# Altium PCB PCB1.PcbDoc (part 4 of 5)
Units mm, origin at the board's own origin, x right, y up, seen from the top; angles counter-clockwise.
Board outline 50 x 50 mm, 6 copper layers (Top Layer, Int1 (GND), Int2 (Sign), Int3 (Sign), Int4 (Sign), Bottom Layer), stack 1.551 mm thick; 306 components, 209 nets, 1178 pads, 764 vias.
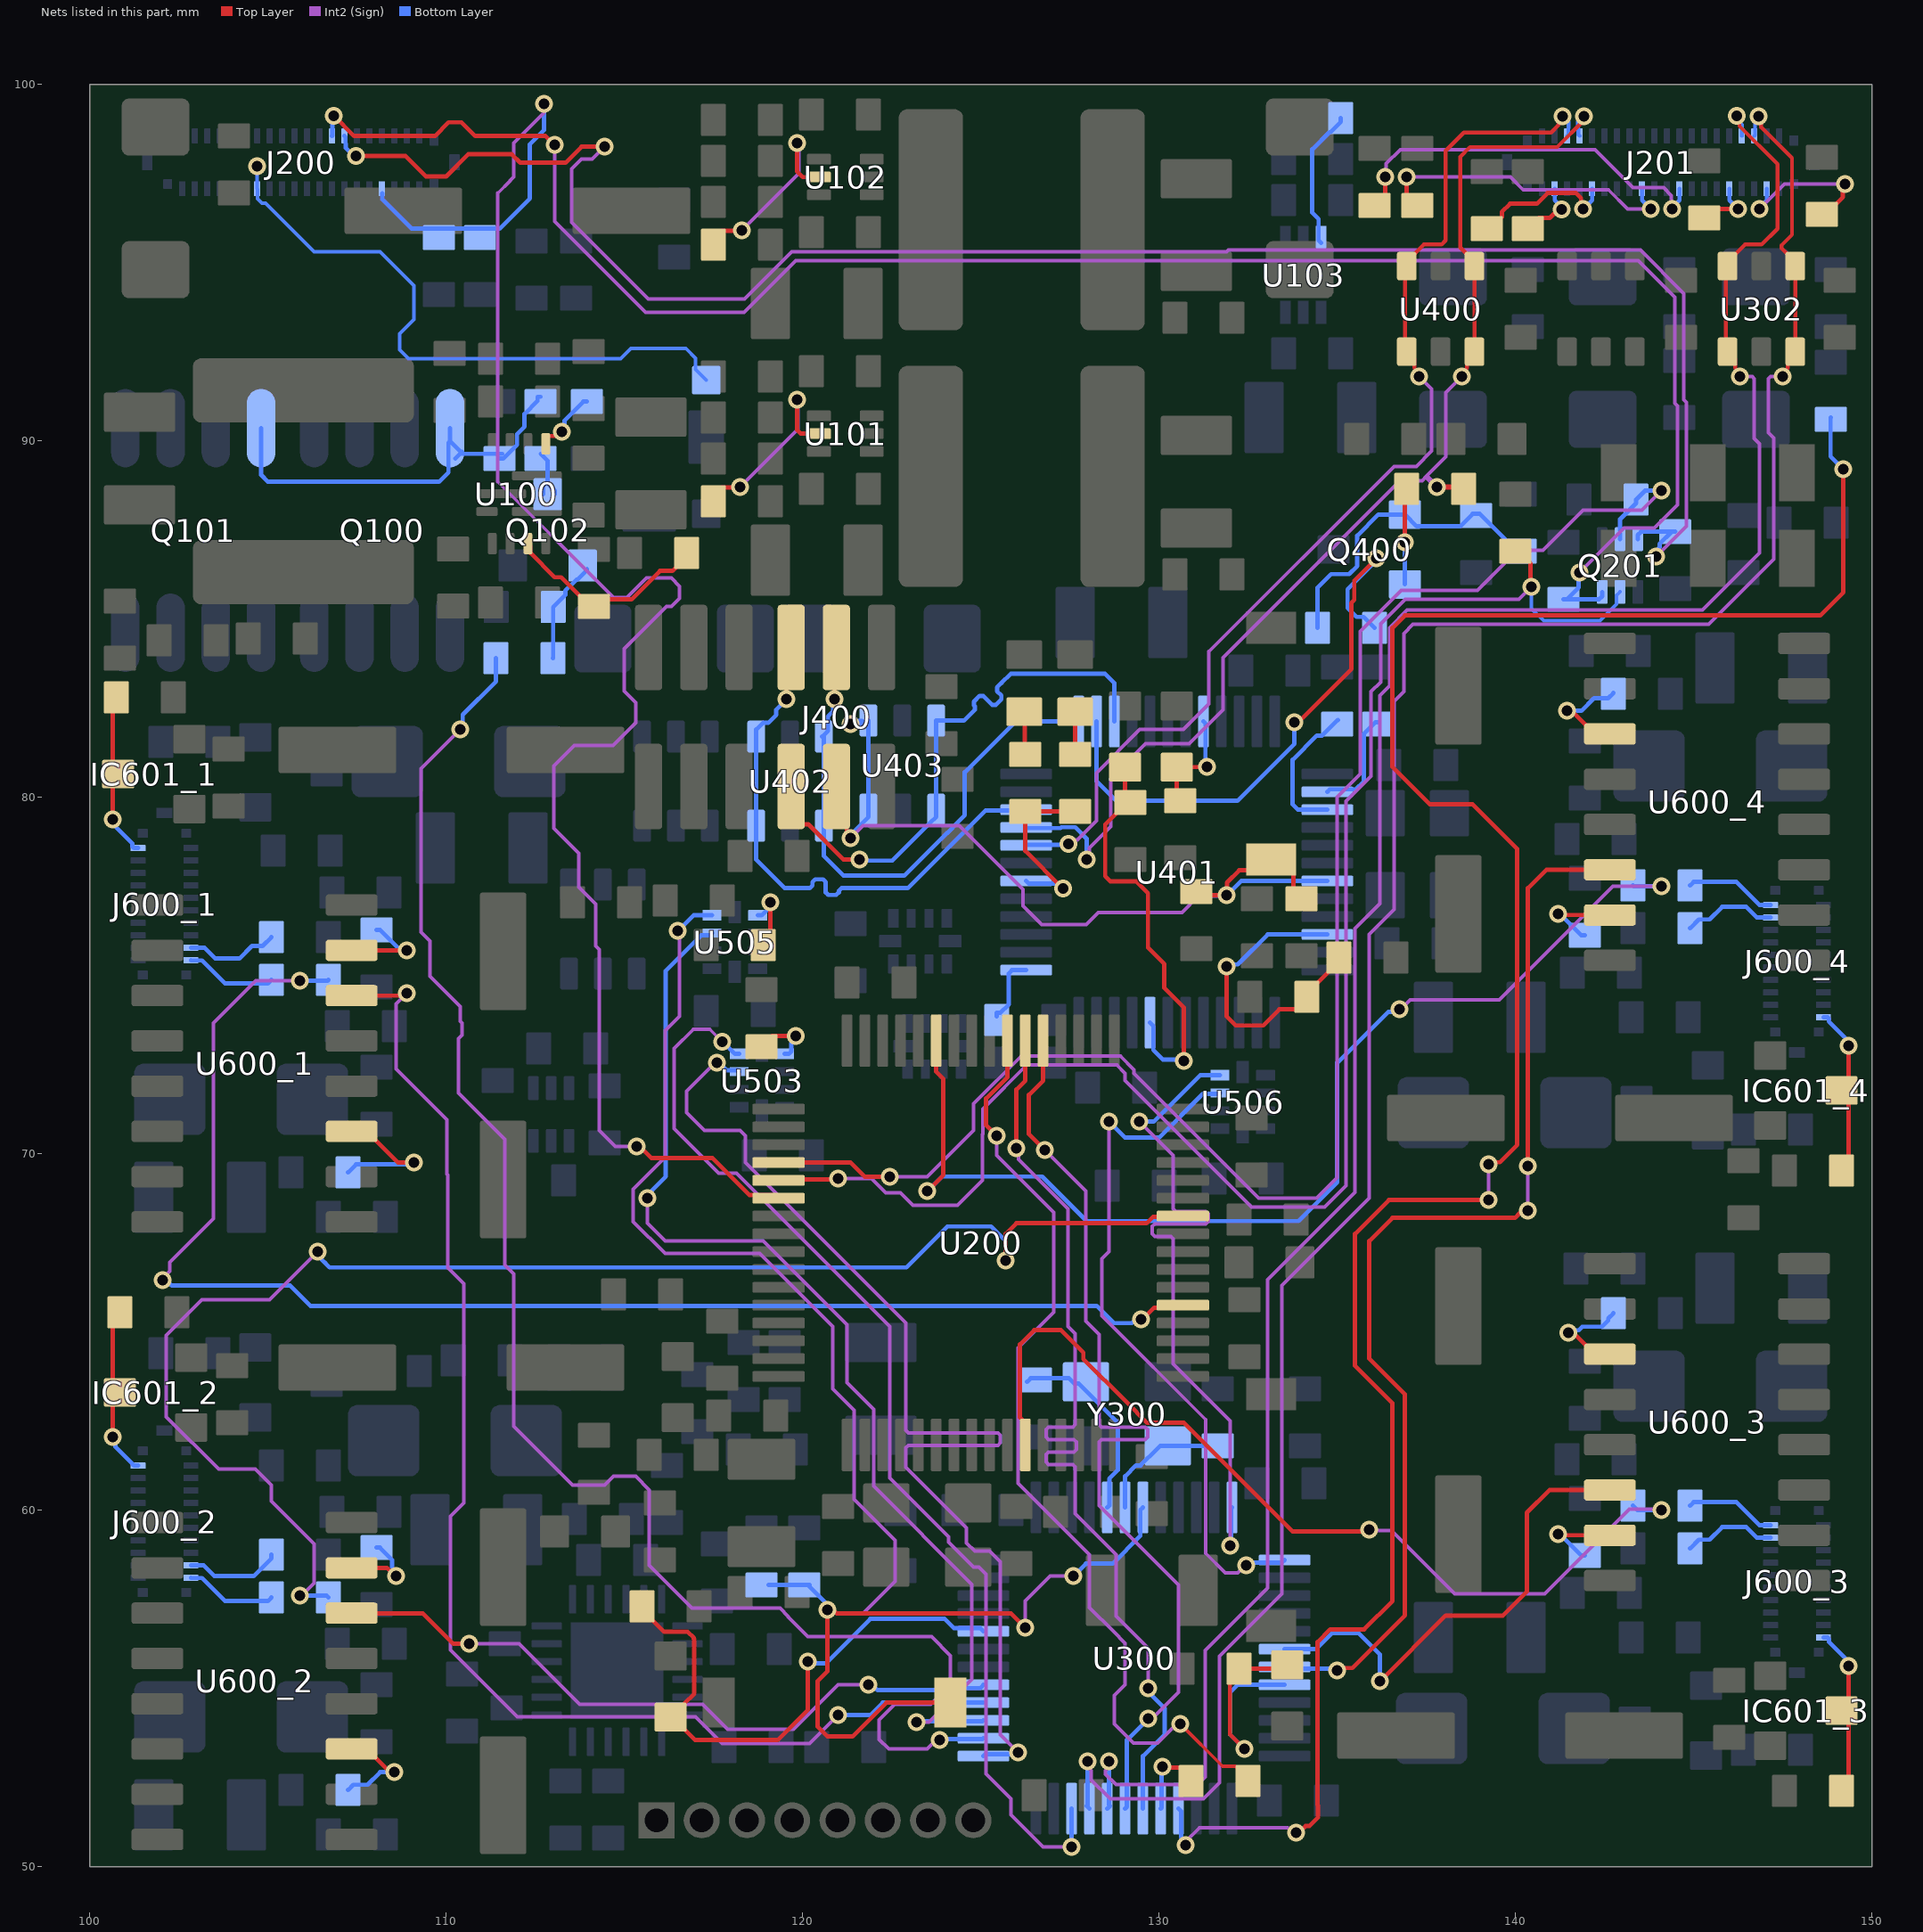
[diagram p8: the nets of this part, all layers, seen from the top]

## Via types
v1: diameter 0.5, hole 0.3, Top Layer to Bottom Layer, tented both sides, 492 vias
v2: diameter 0.7, hole 0.35, Top Layer to Bottom Layer, tented both sides, 270 vias
v3: diameter 0, hole 0.3, Top Layer to Bottom Layer, tented both sides, 2 vias

## Nets (pads, with @x,y where several pads share a name; then routed paths per layer and width w, separated by ;. In a path a pad name is that pad's centre, name@x,y a point inside that pad or via, vN(x,y) a via of type N, cw(c..) or ccw(c..) an arc to the next point about the centre after c; other vN are vias at no path point) (continued)
NetJ201_22: J201.22 R309.2 | length 4.5
  Top Layer w0.12: R309.2@148.6,96.35 148.7,96.35 149.185,96.835 149.185,97.135 v1(149.25,97.2)
  Int2 (Sign) w0.1: v1(146.85,96.5) 147.55,97.2 v1(149.25,97.2)
  Bottom Layer w0.11: v1(146.85,96.5) 146.85,96.545 147.05,96.745 J201.22@147.05,97.073
NetJ201_25: J201.25 R310.2 | length 1.7
  Top Layer w0.12: R310.2@145.3,96.25 145.55,96.5 v1(146.25,96.5)
  Bottom Layer w0.11: J201.25@146,97.073 146,96.745 146.245,96.5 v1(146.25,96.5)
NetJ201_29: J201.29 R205.2 | length 11.1
  Top Layer w0.12: R205.2@136.05,96.6 136.35,96.9 v1(136.35,97.4)
  Int2 (Sign) w0.1: v1(136.35,97.4) 136.375,97.425 136.375,97.775 136.77,98.17 142.23,98.17 143.3,97.1 144.158,97.1 144.375,96.883 144.375,96.525 v1(144.4,96.5)
  Bottom Layer w0.11: v1(144.4,96.5) 144.4,96.545 144.6,96.745 J201.29@144.6,97.073
NetJ201_32: J201.32 R207.2 | length 8.8
  Top Layer w0.12: v1(136.95,97.4) 136.95,96.9 R207.2@137.25,96.6
  Int2 (Sign) w0.1: v1(136.95,97.4) 139.861,97.4 140.226,97.035 142.615,97.035 143.15,96.5 143.792,96.5 v1(143.796,96.504)
  Bottom Layer w0.11: J201.32@143.55,97.073 143.55,96.75 v1(143.796,96.504)
NetJ201_36: J201.36 R409.2 | length 4.2
  Top Layer w0.12: R409.2@139.2,95.95 139.3,95.95 139.621,96.271 139.621,96.421 139.85,96.65 140.6,96.65 140.9,96.95 141.7,96.95 141.839,96.811 141.839,96.561 v1(141.9,96.5)
  Bottom Layer w0.11: v1(141.9,96.5) 142.15,96.75 J201.36@142.15,97.073
NetJ201_39: J201.39 R410.2 | length 1.8
  Top Layer w0.12: R410.2@140.35,95.95 140.651,96.251 140.959,96.251 141.204,96.496 v1(141.296,96.496)
  Bottom Layer w0.11: J201.39@141.1,97.073 141.1,96.745 141.296,96.549 v1(141.296,96.496)
NetJ600_1_19: J600_1.19 R606_1.1 | length 2.6
  Bottom Layer w0.12: J600_1.19@102.84,75.775 103.225,75.775 103.525,75.475 104.2,75.475 104.554,75.829 104.854,75.829 R606_1.1@105.1,76.075
NetJ600_1_20: J600_1.20 R607_1.1 | length 2.6
  Bottom Layer w0.12: J600_1.20@102.84,75.425 102.841,75.424 103.151,75.424 103.8,74.775 105,74.775 R607_1.1@105.1,74.875
NetJ600_2_19: J600_2.19 R606_2.1 | length 2.7
  Bottom Layer w0.12: J600_2.19@102.84,58.45 103.2,58.45 103.5,58.15 104.6,58.15 105.1,58.65 R606_2.1@105.1,58.75
NetJ600_2_20: J600_2.20 R607_2.1 | length 2.6
  Bottom Layer w0.12: J600_2.20@102.84,58.1 102.841,58.099 103.151,58.099 103.8,57.45 105,57.45 R607_2.1@105.1,57.55
NetJ600_3_19: J600_3.19 R606_3.1 | length 2.6
  Bottom Layer w0.12: R606_3.1@144.9,58.925 145.146,59.171 145.446,59.171 145.8,59.525 146.475,59.525 146.775,59.225 J600_3.19@147.16,59.225
NetJ600_3_20: J600_3.20 R607_3.1 | length 2.6
  Bottom Layer w0.12: R607_3.1@144.9,60.125 145,60.225 146.2,60.225 146.849,59.576 147.159,59.576 J600_3.20@147.16,59.575
NetJ600_4_19: J600_4.19 R606_4.1 | length 2.6
  Bottom Layer w0.12: R606_4.1@144.9,76.325 145.146,76.571 145.446,76.571 145.8,76.925 146.475,76.925 146.775,76.625 J600_4.19@147.16,76.625
NetJ600_4_20: J600_4.20 R607_4.1 | length 2.6
  Bottom Layer w0.12: R607_4.1@144.9,77.525 145,77.625 146.2,77.625 146.849,76.976 147.159,76.976 J600_4.20@147.16,76.975
NetLED400_1: LED400.1 R406.1 | length 1.2
  Top Layer w0.12: LED400.1@126.221,82.4 126.235,82.385 126.235,81.215 R406.1@126.25,81.2
NetLED401_2: LED401.2 R407.1 | length 1.2
  Top Layer w0.12: R407.1@127.65,81.2 LED401.2@127.65,82.4
NetQ100_G: Q100.G Q101.G R109.1 R111.1 | length 12.2
  Bottom Layer w0.12: Q101.G@104.809,90.356 104.809,89.041 105,88.85 109.8,88.85 110.065,89.115 110.065,89.945 Q100.G@110.109,89.989 ; Q100.G@110.109,90.356 Q100.G@110.109,89.989 ; Q100.G@110.261,89.505 110.45,89.694 110.405,89.694 Q100.G@110.109,89.989 ; Q100.G@110.405,89.636 R109.1@111.58,89.636 ; R109.1@111.5,89.5 111.6,89.5 111.99,89.89 111.99,90.19 112.2,90.4 112.2,90.75 112.567,91.117 112.567,91.236 R111.1@112.654,91.236
NetQ102_1: Q102.1 R112.2 R115.1 | length 2.9
  Bottom Layer w0.12: R112.2@113,83.9 113.002,83.902 113.002,85.334 113.344,85.676 113.344,85.794 113.66,86.11 113.69,86.11 113.954,86.374 Q102.1@113.954,86.404
NetQ102_3: Q102.3 R111.2 | length 1.6
  Bottom Layer w0.12: R111.2@112.654,89.636 112.85,89.441 112.85,88.8 113.05,88.6 Q102.3@113.05,88.5 ; Q102.3@112.73,88.504 112.73,88.73 Q102.3@112.8,88.8
NetQ400_1: Q400.1 R400.1 R401.2 R402.2 | length 8.9
  Bottom Layer w0.12: R401.2@134.45,84.75 134.45,85.88 134.83,86.26 135.334,86.26 135.56,86.486 135.56,87.34 136.15,87.93 Q400.1@136.9,87.93 137.23,87.6 138.45,87.6 138.8,87.95 139,87.95 139.71,87.24 140.05,86.9 R400.1@140.15,86.9
NetQ400_2: Q400.2 R404.2 | length 2.7
  Top Layer w0.12: v1(136.9,87.15) 136.9,88.6 R404.2@136.95,88.65
  Bottom Layer w0.12: Q400.2@136.9,85.97 v1(136.9,87.15)
NetR100_2: R100.2 R104.2 U100.11 | length 6
  Top Layer w0.12: U100.11@112.296,87.114 112.361,87.049 112.361,86.856 113.043,86.174 113.226,86.174 114.05,85.35 R100.2@114.15,85.35 114.35,85.55 115.2,85.55 116,86.35 116.35,86.35 116.75,86.75 R104.2@116.75,86.85
NetR102_2: R102.2 U100.3 | length 1.9
  Top Layer w0.12: U100.3@112.796,89.914 112.796,90.089 112.841,90.134 113.042,90.134 113.158,90.25 v1(113.25,90.25)
  Bottom Layer w0.12: v1(113.25,90.25) 113.323,90.323 113.323,90.573 113.85,91.1 R102.2@113.95,91.1
NetR107_2: R107.2 U101.5 | length 5.6
  Top Layer w0.12: R107.2@117.5,88.35 117.5,88.45 117.74,88.69 118.24,88.69 v1(118.25,88.7) ; v1(119.85,91.15) 119.85,90.3 119.95,90.2 U101.5@120.46,90.2
  Int2 (Sign) w0.1: v1(118.25,88.7) 119.875,90.325 119.875,91.125 v1(119.85,91.15)
NetR113_2: R113.2 U102.5 | length 5.6
  Top Layer w0.12: R113.2@117.5,95.549 117.5,95.649 117.74,95.89 118.29,95.89 v1(118.3,95.9) ; v1(119.85,98.35) 119.85,97.55 120.001,97.399 U102.5@120.46,97.399
  Int2 (Sign) w0.1: v1(118.3,95.9) 119.9,97.5 119.9,98.3 v1(119.85,98.35)
NetR117_2: R117.2 U103.6 | length 4
  Bottom Layer w0.12: U103.6@134.55,95.55 134.48,95.62 134.48,96.22 134.3,96.4 134.3,98.176 134.784,98.66 134.81,98.66 135.1,98.95 R117.2@135.1,99.05
NetR308_2: R308.2 U300.29 | length 2.2
  Top Layer w0.12: v1(130.1,52.8) 130.125,52.775 130.56,52.775 130.9,52.435 R308.2@130.9,52.35
  Bottom Layer w0.12: U300.29@130.05,51.625 130.075,51.65 130.075,52.775 v1(130.1,52.8)
NetR403_2: R403.2 R405.2 U401.10 | length 8.8
  Top Layer w0.12: v1(131.9,75.25) 131.9,73.85 132.15,73.6 132.923,73.6 133.374,74.05 133.86,74.05 R403.2@134.15,74.34 ; R403.2@134.15,74.4 134.15,74.55 134.2,74.55 135.05,75.4 R405.2@135.05,75.55
  Bottom Layer w0.12: v1(131.9,75.25) 131.959,75.309 132.209,75.309 133.05,76.15 U401.10@134.725,76.15
NetR408_1: R408.1 U401.25 | length 1.9
  Bottom Layer w0.12: R408.1@125.45,73.85 125.45,73.95 125.545,73.95 125.785,74.19 125.785,75.06 125.875,75.15 U401.25@126.275,75.15
NetR411_1: R411.1 U401.3 | length 4
  Bottom Layer w0.12: U401.3@134.725,79.65 133.9,79.65 133.75,79.8 133.75,81.05 134.429,81.729 134.579,81.729 R411.1@135.02,82.17
NetR412_1: R412.1 U401.2 | length 3
  Bottom Layer w0.12: U401.2@134.725,80.15 134.795,80.22 135.52,80.22 135.75,80.45 135.75,81.78 136.07,82.1 R412.1@136.15,82.1
NetR501_2: R501.2 U503.6 | length 1.8
  Top Layer w0.12: R501.2@118.85,73 119.15,73.3 v1(119.805,73.3)
  Bottom Layer w0.12: U503.6@119.5,72.8 119.615,72.8 119.685,72.87 119.685,73.088 119.805,73.208 v1(119.805,73.3)
NetR503_2: R503.2 U505.6 | length 1.9
  Top Layer w0.12: R503.2@118.9,75.85 119.1,76.05 v1(119.1,77.05)
  Bottom Layer w0.12: U505.6@118.74,76.69 118.855,76.69 119.035,76.87 119.035,76.985 v1(119.1,77.05)
NetR602_1_2: R602_1.2 U600_1.3 | length 4.1
  Top Layer w0.12: U600_1.3@107.35,70.625 107.775,70.625 108.65,69.75 v1(109.1,69.75)
  Bottom Layer w0.12: R602_1.2@107.25,69.475 107.475,69.7 109.05,69.7 v1(109.1,69.75)
NetR602_2_2: R602_2.2 U600_2.3 | length 3
  Top Layer w0.12: U600_2.3@107.35,53.3 107.775,53.3 108.36,52.715 108.485,52.715 v1(108.55,52.65)
  Bottom Layer w0.12: R602_2.2@107.25,52.15 107.396,52.296 107.796,52.296 108.15,52.65 v1(108.55,52.65)
NetR602_3_2: R602_3.2 U600_3.3 | length 2.9
  Top Layer w0.12: v1(141.487,64.982) 141.552,64.917 141.683,64.917 142.225,64.375 U600_3.3@142.65,64.375
  Bottom Layer w0.12: v1(141.487,64.982) 141.552,65.047 141.775,65.047 141.873,65.145 142.43,65.145 142.604,65.319 142.604,65.379 R602_3.2@142.75,65.525
NetR602_4_2: R602_4.2 U600_4.3 | length 3
  Top Layer w0.12: v1(141.45,82.425) 141.515,82.36 141.64,82.36 142.225,81.775 U600_4.3@142.65,81.775
  Bottom Layer w0.12: v1(141.45,82.425) 141.85,82.425 142.204,82.779 142.604,82.779 R602_4.2@142.75,82.925
NetR603_1_2: R603_1.2 U600_1.7 | length 2.6
  Top Layer w0.12: U600_1.7@107.35,75.705 107.353,75.703 108.898,75.703 v1(108.9,75.7)
  Bottom Layer w0.12: R603_1.2@108.05,76.275 108.15,76.275 108.66,75.765 108.835,75.765 v1(108.9,75.7)
NetR603_2_2: R603_2.2 U600_2.7 | length 2.4
  Top Layer w0.12: U600_2.7@107.35,58.38 108.34,58.38 108.57,58.15 v1(108.6,58.15)
  Bottom Layer w0.12: R603_2.2@108.05,58.95 108.143,58.95 108.483,58.61 108.483,58.37 108.6,58.253 v1(108.6,58.15)
NetR603_3_2: R603_3.2 U600_3.7 | length 2.5
  Top Layer w0.12: v1(141.2,59.325) 141.23,59.295 U600_3.7@142.65,59.295
  Bottom Layer w0.12: v1(141.2,59.325) 141.25,59.325 141.85,58.725 R603_3.2@141.95,58.725
NetR603_4_2: R603_4.2 U600_4.7 | length 2.5
  Top Layer w0.12: v1(141.2,76.725) 141.23,76.695 U600_4.7@142.65,76.695
  Bottom Layer w0.12: v1(141.2,76.725) 141.25,76.725 141.85,76.125 R603_4.2@141.95,76.125
NetU300_18: U300.18 U600_3.6 | length 13.8
  Top Layer w0.12: v1(136.2,55.2) 138.044,57.044 139.655,57.044 140.32,57.709 140.32,59.928 140.957,60.565 U600_3.6@142.65,60.565
  Bottom Layer w0.12: U300.18@133.525,56.1 134.4,56.1 134.85,56.55 135.6,56.55 136.2,55.95 v1(136.2,55.2)
NetU300_19: U300.19 U600_4.6 | length 31.3
  Top Layer w0.12: v1(135,55.5) 135.073,55.573 135.423,55.573 136.9,57.05 136.9,63.25 135.9,64.25 135.9,67.55 136.55,68.2 139.986,68.2 140.121,68.335 140.285,68.335 v1(140.35,68.4) ; v1(140.35,69.65) 140.35,77.45 140.865,77.965 U600_4.6@142.65,77.965
  Int2 (Sign) w0.1: v1@140.35,68.45 v1(140.35,69.65)
  Bottom Layer w0.12: U300.19@133.525,55.6 133.575,55.55 134.95,55.55 v1(135,55.5)
NetU300_40: U300.40 U600_1.6 | length 37.6
  Top Layer w0.12: U600_1.6@107.35,74.435 108.835,74.435 v1(108.9,74.5)
  Int2 (Sign) w0.1: v1(108.9,74.5) 108.6,74.2 108.6,72.38 110.025,70.955 110.025,69.424 110.05,69.399 110.05,66.8 110.5,66.35 110.5,60.201 110.125,59.826 110.125,56.075 112,54.2 117,54.2 117.75,53.45 120.2,53.45 v1(121,54.25)
  Bottom Layer w0.12: v1(121,54.25) 121.9,54.25 122.25,54.6 U300.40@125.075,54.6
NetU300_41: U300.41 U600_2.6 | length 19.7
  Top Layer w0.12: U600_2.6@107.35,57.11 107.36,57.1 109.1,57.1 109.35,57.1 110.2,56.25 v1(110.65,56.25)
  Int2 (Sign) w0.1: v1(110.65,56.25) 112.05,56.25 113.75,54.55 117.2,54.55 117.9,53.85 119.75,53.85 121,55.1 v1(121.85,55.1)
  Bottom Layer w0.12: v1(121.85,55.1) 121.953,55.1 122.103,54.95 124.275,54.95 124.335,55.01 124.985,55.01 U300.41@125.075,55.1
Power_switch: R112.1 U300.38 | length 46.9
  Int2 (Sign) w0.1: v1(110.4,81.9) 109.3,80.8 109.3,76.219 109.55,75.969 109.55,74.974 110.4,74.124 110.4,73.716 110.45,73.666 110.45,73.334 110.35,73.234 110.35,71.707 111.65,70.407 111.65,66.877 111.9,66.627 111.9,62.35 113.55,60.7 114.45,60.7 114.7,60.95 115.316,60.95 115.7,60.566 115.7,58.45 116.9,57.25 119.366,57.25 119.6,57.016 119.6,57 120.15,56.45 123.62,56.45 124.15,55.92 124.15,55.1 123.6,54.55 122.584,54.55 122.15,54.116 122.15,53.57 122.42,53.3 123.497,53.3 123.747,53.55 v1(123.85,53.55)
  Bottom Layer w0.12: v1(110.4,81.9) 110.466,81.966 110.466,82.316 111.4,83.25 R112.1@111.4,83.9 ; v1(123.85,53.55) 123.875,53.575 125.05,53.575 U300.38@125.075,53.6
RTC_bat: D202.1 J200.34 | length 17.7
  Bottom Layer w0.1: v1(104.7,97.7) J200.34@104.7,97.073 104.715,97.058 104.715,96.785 104.837,96.663 104.937,96.663 106.3,95.3 108.15,95.3 109.1,94.35 109.1,93.4 108.7,93 108.7,92.55 108.95,92.3 114.899,92.3 115.188,92.589 116.728,92.589 117,92.316 117,92 D202.1@117.3,91.7
Servo_5V_1: IC601_1.3 J600_1.10 R604_1.2 | length 4.9
  Top Layer w0.12: v1(100.65,79.375) 100.65,80.425 100.85,80.625 100.65,80.825 100.65,82.675 R604_1.2@100.85,82.875
  Bottom Layer w0.12: v1(100.65,79.375) 100.727,79.298 100.727,79.173 101.2,78.7 101.2,78.615 101.24,78.575 J600_1.10@101.36,78.575
Servo_5V_2: IC601_2.3 J600_2.10 R604_2.2 | length 4.9
  Top Layer w0.12: v1(100.65,62.05) 100.65,63.1 IC601_2.3@100.85,63.3 100.65,63.5 100.65,65.35 R604_2.2@100.85,65.55
  Bottom Layer w0.12: v1(100.65,62.05) 100.723,61.977 100.723,61.771 101.21,61.284 101.21,61.28 101.24,61.25 J600_2.10@101.36,61.25
Servo_5V_3: IC601_3.3 J600_3.10 R604_3.2 | length 4.9
  Top Layer w0.12: R604_3.2@149.15,52.125 149.35,52.325 149.35,54.175 IC601_3.3@149.15,54.375 149.35,54.575 v1(149.35,55.625)
  Bottom Layer w0.12: J600_3.10@148.64,56.425 148.76,56.425 148.8,56.385 148.8,56.3 149.273,55.827 149.273,55.702 v1(149.35,55.625)
Servo_5V_4: IC601_4.3 J600_4.10 R604_4.2 | length 4.9
  Top Layer w0.12: R604_4.2@149.15,69.525 149.35,69.725 149.35,71.575 IC601_4.3@149.15,71.775 149.35,71.975 v1(149.35,73.025)
  Bottom Layer w0.12: J600_4.10@148.64,73.825 148.765,73.825 148.79,73.8 148.79,73.71 149.277,73.223 149.277,73.098 v1(149.35,73.025)
Speed1_3.3V: Q201.5 R211.1 U200.52 | length 47.4
  Top Layer w0.12: U200.52@119.33,69.75 121.35,69.75 121.75,69.35 v1(122.45,69.35)
  Int2 (Sign) w0.1: v1(122.45,69.35) 123.501,69.35 124.8,70.649 124.8,71.4 126.135,72.735 128.919,72.735 129.3,72.354 129.3,72.25 132.8,68.75 134.416,68.75 135,69.334 135,79.998 135.65,80.648 135.65,84.649 135.975,84.974 136.801,85.8 138.934,85.8 140.059,86.925 140.775,86.925 141.9,88.05 143.55,88.05 v1(144.1,88.6)
  Bottom Layer w0.12: Q201.5@142.934,87.24 142.934,87.8 143.384,88.25 R211.1@143.384,88.35 143.634,88.6 v1(144.1,88.6)
Speed1_5V: J200.13 Q201.3 R215.1 | length 54.6
  Top Layer w0.12: v1(106.848,99.121) 107.419,98.55 109.685,98.55 110.07,98.935 110.43,98.935 110.815,98.55 112.791,98.55 113.041,98.3 v1(113.05,98.3)
  Int2 (Sign) w0.1: v1(113.05,98.3) 113.05,96.15 115.6,93.6 118.354,93.6 119.804,95.05 143.451,95.05 144.475,94.026 144.475,91.056 144.55,90.981 144.55,88.2 143.9,87.55 143.05,87.55 v1(141.8,86.3)
  Bottom Layer w0.12: J200.13@106.8,98.553 106.81,98.563 106.81,99.083 v1(106.848,99.121) ; R215.1@141.35,85.55 R215.1@141.435,85.55 ; v1(141.8,86.3) 141.775,86.275 141.775,85.89 R215.1@141.435,85.55 ; Q201.3@142.434,85.76 142.434,85.64 142.344,85.55 R215.1@141.435,85.55
Speed2_3.3V: Q201.2 R210.2 U200.53 | length 46.8
  Top Layer w0.12: U200.53@119.33,69.25 119.355,69.275 120.975,69.275 v1(121,69.3) ; R210.2@140,86.9 140.085,86.9 140.425,86.56 140.425,85.925 v1(140.45,85.9)
  Int2 (Sign) w0.1: v1(121,69.3) 121.934,69.3 122.334,68.9 122.751,68.9 123.101,68.55 124.343,68.55 125.05,69.257 125.05,70.546 125.053,70.549 125.053,71.259 126.279,72.485 128.711,72.485 128.816,72.485 129.05,72.251 129.05,72.146 129.05,72.05 132.6,68.5 134.641,68.5 135.25,69.109 135.25,79.895 135.95,80.595 135.95,82.963 136.217,83.23 136.217,84.863 136.905,85.55 140.1,85.55 v1(140.45,85.9)
  Bottom Layer w0.1: v1(140.45,85.9) 140.45,85.291 140.791,84.95 142.37,84.95 142.834,85.414 142.834,85.66 Q201.2@142.934,85.76
Speed2_5V: J200.14 Q201.6 R214.2 | length 54.2
  Top Layer w0.12: v1(107.477,97.993) 108.857,97.993 109.435,97.415 109.997,97.415 110.62,98.038 111.846,98.038 112.084,97.8 113.35,97.8 113.8,98.25 v1(114.45,98.25)
  Int2 (Sign) w0.1: v1(114.45,98.25) 114.1,97.9 113.799,97.9 113.525,97.626 113.525,96.125 115.675,93.975 118.375,93.975 119.7,95.3 131.902,95.3 131.952,95.35 143.505,95.35 144.725,94.13 144.725,91.159 144.8,91.084 144.8,87.6 v1(143.95,86.75)
  Bottom Layer w0.12: J200.14@107.15,98.553 107.18,98.523 107.18,98.34 107.187,98.333 107.187,98.213 107.407,97.993 v1(107.477,97.993) ; Q201.6@143.434,87.24 143.434,87.36 143.524,87.45 R214.2@144.384,87.45 ; v1(143.95,86.75) 144.023,86.823 144.023,86.988 144.044,87.01 144.044,87.11 R214.2@144.384,87.45 ; R214.2@144.484,87.45 R214.2@144.384,87.45
Start_button: C203.1 J200.24 R206.2 U200.54 | length 49.8
  Top Layer w0.12: v1(115.35,70.2) 115.438,70.2 115.758,69.88 117.47,69.88 118.51,68.84 119.24,68.84 U200.54@119.33,68.75
  Int2 (Sign) w0.1: v1(112.75,99.45) 112.75,99.202 111.9,98.352 111.9,97.4 111.8,97.3 111.8,97.295 111.453,96.947 111.453,88.847 114.7,85.6 115.066,85.6 115.616,86.15 116.316,86.15 116.55,85.916 116.55,85.584 116.316,85.35 116.184,85.35 115,84.166 115,82.98 115.325,82.655 115.325,82.095 114.68,81.45 113.596,81.45 113.025,80.879 113.025,79.125 113.725,78.425 113.725,77.475 114.2,77 114.2,75.827 114.3,75.727 114.3,70.65 114.75,70.2 v1(115.35,70.2)
  Bottom Layer w0.12: J200.24@108.21,96.943 108.21,96.777 109.037,95.95 111.5,95.95 112.35,96.8 112.35,98.318 112.75,98.718 v1(112.75,99.45)
STlink_BOOT0: R415.1 SB401.1 U401.20 | length 11.8
  Top Layer w0.12: SB401.1@129.05,80.843 R415.1@129.05,79.85 ; R415.1@129.2,79.85 R415.1@129.05,79.85 ; v1(130.7,72.6) 130.7,74.1 130.15,74.65 130.15,75.32 129.69,75.78 129.69,77.31 129.36,77.64 128.636,77.64 128.49,77.786 128.49,79.24 129.05,79.8 R415.1@129.05,79.85
  Bottom Layer w0.12: U401.20@129.75,73.675 129.84,73.585 129.84,72.91 130.11,72.64 130.66,72.64 v1(130.7,72.6)
STlink_BOOT1: R414.1 SB400.1 U401.44 | length 3.3
  Top Layer w0.12: R414.1@130.5,79.75 SB400.1@130.5,80.843 130.607,80.95 130.708,80.849 v1(131.351,80.849)
  Bottom Layer w0.12: U401.44@131.25,82.125 131.3,82.075 131.3,80.9 v1(131.351,80.849)
STlink_LED: R406.2 R407.2 U401.30 | length 5.1
  Top Layer w0.12: R406.2@126.25,79.6 126.25,78.492 127.307,77.435 v1(127.312,77.435) ; R406.2@126.31,79.6 R407.2@127.65,79.6
  Bottom Layer w0.12: U401.30@126.275,77.65 126.345,77.58 127.075,77.58 127.22,77.435 v1(127.312,77.435)
STlink_N: J201.3 U400.3 U400.4 U401.32 | length 31.5
  Top Layer w0.11: v1(137.3,91.8) 137.3,91.906 137.162,92.044 137.162,92.288 136.9,92.55 136.9,94.85 U400.3@136.95,94.9 136.95,95.025 137.43,95.505 137.925,95.505 138.04,95.62 138.04,98.136 138.554,98.65 141.001,98.65 141.204,98.854 141.204,98.874 141.325,98.994 v1(141.325,99.1)
  Int2 (Sign) w0.1: v1(127.455,78.694) 127.564,78.694 127.676,78.806 127.708,78.806 128.242,79.341 128.242,80.684 129.459,81.9 130.684,81.9 131.4,82.616 131.4,84.085 136.598,89.283 137.217,89.283 137.65,89.716 137.65,91.45 v1(137.3,91.8)
  Bottom Layer w0.11: v1(141.325,99.1) 141.345,99.1 141.495,98.95 141.495,98.772 141.485,98.762 141.485,98.588 J201.3@141.45,98.553
  Bottom Layer w0.12: U401.32@126.275,78.65 126.291,78.666 127.428,78.666 v1(127.455,78.694)
STlink_P: J201.4 R404.1 U400.1 U400.6 U401.33 | length 33.7
  Top Layer w0.11: v1(138.5,91.8) 138.5,91.906 138.638,92.044 138.638,92.288 U400.6@138.85,92.5 138.85,95.025 138.45,95.425 138.45,97.966 138.724,98.24 141.171,98.24 141.925,98.994 v1(141.925,99.1)
  Top Layer w0.15: v1(137.8,88.7) 138.5,88.7 R404.1@138.55,88.65
  Int2 (Sign) w0.1: v1(127.967,78.253) 128.043,78.33 128.043,78.576 128.642,79.175 128.642,80.518 129.624,81.5 130.85,81.5 131.8,82.45 131.8,83.919 136.764,88.883 137.383,88.883 137.5,89 138.05,89.55 138.05,91.35 v1(138.5,91.8)
  Int2 (Sign) w0.15: 137.55,88.95 v1(137.8,88.7)
  Bottom Layer w0.11: J201.4@141.8,98.553 141.765,98.588 141.765,98.762 141.755,98.772 141.755,98.95 141.905,99.1 v1(141.925,99.1)
  Bottom Layer w0.12: U401.33@126.275,79.15 126.291,79.134 127.233,79.134 127.261,79.162 127.649,79.162 127.97,78.841 127.97,78.257 v1(127.967,78.253)
STlink_reset: C402.2 J400.5 R413.1 SW400.1 U401.7 U403.3 U403.4 | length 25.3
  Top Layer w0.12: J400.5@120.95,80.3 121.241,80.009 121.241,79.051 121.35,78.942 v1(121.35,78.85) ; R413.1@131.05,77.35 131.15,77.25 v1(131.9,77.25) 131.909,77.259 131.909,77.609 132.25,77.95 132.85,77.95 SW400.1@133.15,78.25 133.4,78.25 133.77,77.88 133.77,77.38 C402.2@134,77.15
  Int2 (Sign) w0.1: v1(121.35,78.85) 121.7,79.2 124.4,79.2 126.18,77.42 126.18,76.955 126.705,76.43 127.957,76.43 128.297,76.77 130.645,76.77 131.1,77.225 131.875,77.225 v1(131.9,77.25)
  Bottom Layer w0.12: v1@121.415,79.015 121.85,79.45 U403.3@121.85,79.65 U403.4@121.85,82.15 121.75,82.05 U403.4@121.65,82.05 ; v1(131.9,77.25) 131.906,77.25 132.306,77.65 U401.7@134.725,77.65